# Altium PCB V5+_BASE_RC01.PcbDoc (part 2 of 2) (continued)
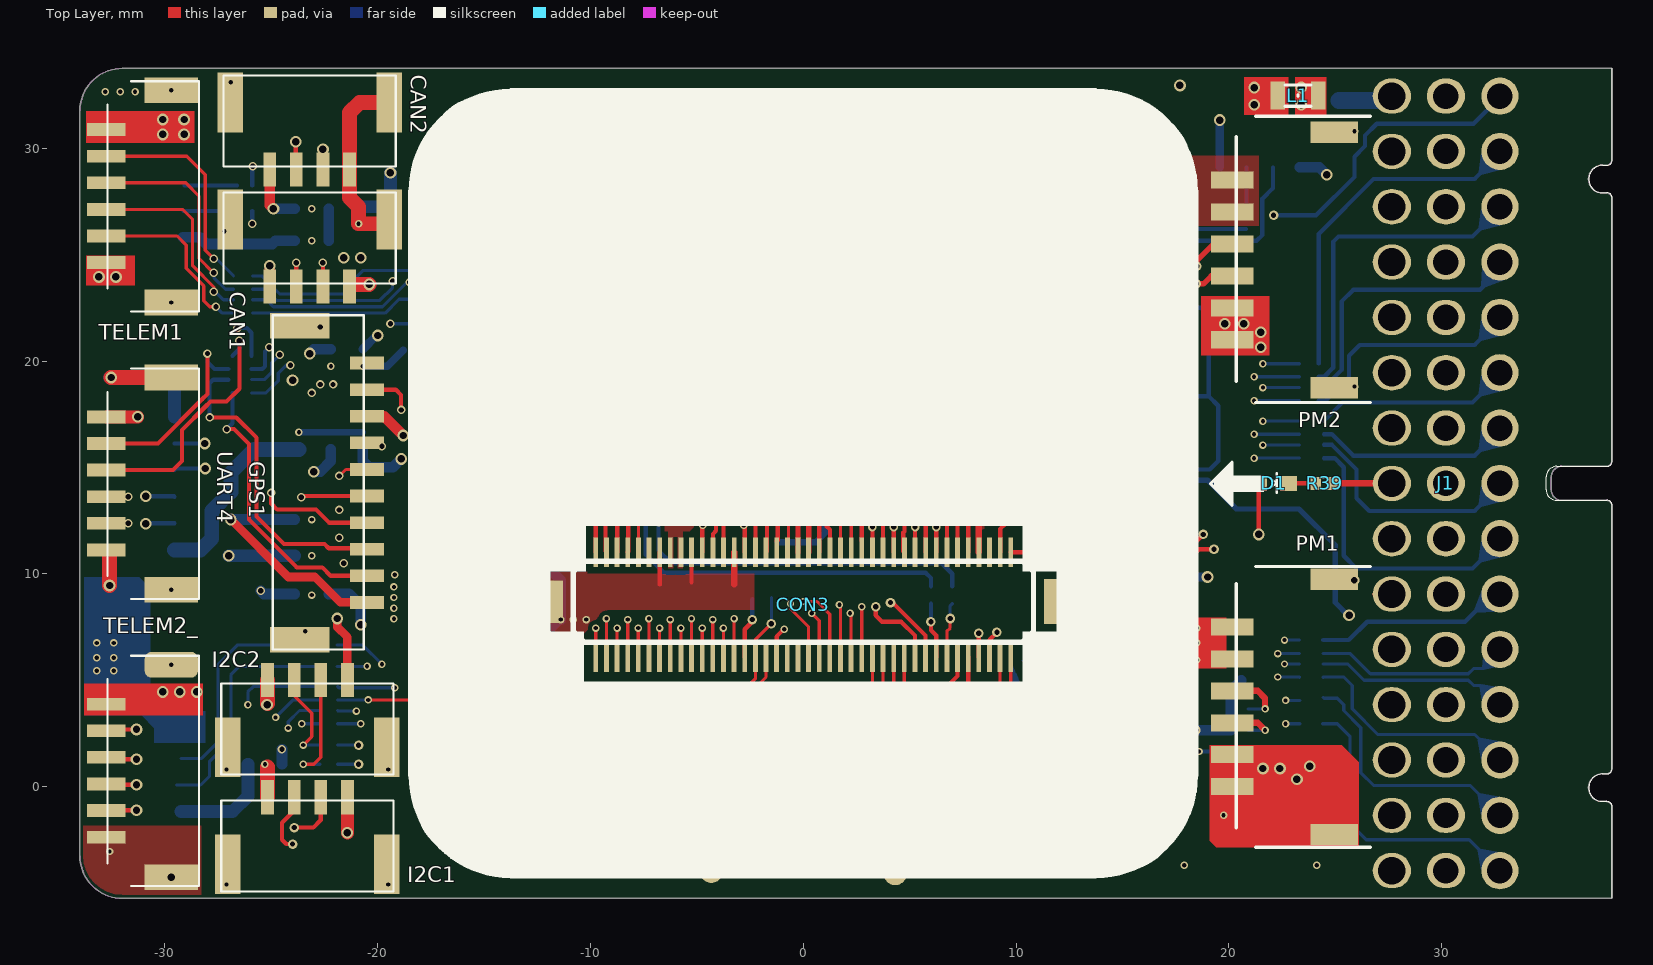
[diagram p0: Top Layer view]
## Nets (pads, with @x,y where several pads share a name; then routed paths per layer and width w, separated by ;. In a path a pad name is that pad's centre, name@x,y a point inside that pad or via, vN(x,y) a via of type N, cw(c..) or ccw(c..) an arc to the next point about the centre after c; other vN are vias at no path point) (continued)
  Bottom Layer w0.15: R16.2@-25.875,23.375 -25.301,23.375 -24.776,22.85 -19.899,22.85 -19.3,23.449 v4(-19.3,23.75)
TELEM1_RX_PORT: R16.7 TELEM1.3 | length 9.9
  Top Layer w0.15: TELEM1.3@-32.75,28.375 -29.025,28.375 -28.4,27.75 -28.4,24.828 -27.722,24.15 v4(-27.7,24.15)
  Bottom Layer w0.15: v4(-27.7,24.15) -27.7,23.922 -27.154,23.375 R16.7@-26.775,23.375
TELEM1_TX: CON3.63 R16.1 | length 50.2
  Top Layer w0.15: v1(0,8.7) 0.65,8.7 1.248,8.102 CON3.63@1.248,6.092
  S1 w0.15: v4(-19.4,21.75) -18.974,21.75 -18.3,21.076 -18.3,18.8 -18.1,18.6 -18.1,11.676 -17,10.576 -17,8.35 -16.7,8.05 -15.5,8.05 -14.925,8.625 -1.525,8.625 -1,8.1 -0.2,8.1 -0.05,8.25 -0.05,8.65 v1(0,8.7)
  Bottom Layer w0.15: R16.1@-25.875,24 -25.45,24 -24.6,23.15 -21.3,23.15 -21.1,23.35 -21.1,23.85 -20.7,24.25 -17.8,24.25 -17.1,23.55 -17.1,22.15 -17.5,21.75 v4(-19.4,21.75)
TELEM1_TX_PORT: R16.8 TELEM1.2 | length 10.4
  Top Layer w0.15: TELEM1.2@-32.75,29.625 -28.975,29.625 -28.1,28.75 -28.1,25.2 v4(-27.7,24.8)
  Bottom Layer w0.15: v4(-27.7,24.8) -27.575,24.8 R16.8@-26.775,24
TELEM2_CTS: CON3.69 R15.3 | length 29.3
  Top Layer w0.15: v5(-7.9,3.1) -7.35,3.65 -2.826,3.65 -1.876,2.7 2.546,2.7 4.248,4.402 CON3.69@4.248,6.092
  S1 w0.15: v1(-21,3.55) -20.764,3.55 -20.264,3.05 v5@-8,3.05
  Bottom Layer w0.15: R15.3@-21.875,3.575 -21.85,3.55 v1(-21,3.55)
TELEM2_CTS_PORT: R15.6 TELEM2_.4 | length 11.6
  Top Layer w0.15: TELEM2_.4@-32.75,0.125 TELEM2_.4@-32.711,0.086
  Top Layer w0.2: TELEM2_.4@-32.711,0.086 v2(-31.336,0.086)
  S1 w0.15: v2@-31.3,0.05 -28.6,2.75 v1(-24.2,2.75)
  Bottom Layer w0.15: v1(-24.2,2.75) -24.2,3.05 -23.675,3.575 R15.6@-22.775,3.575
TELEM2_RTS: CON3.70 R15.4 | length 29.9
  Top Layer w0.15: v5(-6.8,2.9) -6.4,3.3 -2.9,3.3 -2,2.4 2.67,2.4 4.748,4.478 CON3.70@4.748,6.092
  S1 w0.15: v1(-20.8,2.95) -20.475,2.625 -7.075,2.625 v5(-6.8,2.9)
  Bottom Layer w0.15: R15.4@-21.875,2.95 v1(-20.8,2.95)
TELEM2_RTS_PORT: R15.5 TELEM2_.5 | length 11.8
  Top Layer w0.2: TELEM2_.5@-32.739,-1.114 v2(-31.336,-1.114)
  S1 w0.15: v2@-31.3,-1.15 -27.925,2.225 -23.989,2.225 -23.565,2.649 v1(-23.565,2.95)
  Bottom Layer w0.15: v1(-23.565,2.95) R15.5@-22.775,2.95
TELEM2_RX: CON3.68 R15.2 | length 29.3
  Top Layer w0.15: v1(-20.45,4.075) -17.275,4.075 -16.1,2.9 -14.7,2.9 -13.65,3.95 -2.701,3.95 -1.751,3 2.422,3 3.748,4.326 CON3.68@3.748,6.092
  Bottom Layer w0.15: R15.2@-21.875,4.075 v1(-20.45,4.075)
TELEM2_RX_PORT: R15.7 TELEM2_.3 | length 11.1
  Top Layer w0.2: TELEM2_.3@-32.661,1.286 v2(-31.336,1.286)
  S1 w0.15: v2@-31.4,1.25 -29.4,3.25 v1(-24.8,3.25)
  Bottom Layer w0.15: v1(-24.8,3.25) -23.975,4.075 R15.7@-22.775,4.075
TELEM2_TX: CON3.67 R15.1 | length 26.6
  Top Layer w0.15: v4(2.3,4.45) 2.8,4.45 3.248,4.898 CON3.67@3.248,6.092
  S1 w0.15: v1(-19.2,4.65) -19.025,4.475 v4@2.3,4.475
  Bottom Layer w0.15: R15.1@-21.875,4.7 -21.825,4.65 v1(-19.2,4.65)
TELEM2_TX_PORT: R15.8 TELEM2_.2 | length 11.2
  Top Layer w0.2: TELEM2_.2@-32.689,2.686 v2(-31.336,2.686)
  S1 w0.15: v2@-31.4,2.65 -30.9,2.65 -29.7,3.85 v1(-26.1,3.85)
  Bottom Layer w0.15: v1(-26.1,3.85) -26.1,4.45 -25.85,4.7 R15.8@-22.775,4.7
UART4_RX: CON3.72 R18.5 | length 54.7
  Top Layer w0.2: v3(4.1,8.65) 4.2,8.65 5.748,7.102 CON3.72@5.748,6.092
  S1 w0.2: v2(-15,21.95) -15,13.6 -15.4,13.2 -15.4,12.2 -15.025,11.825 -13.748,11.825 -12.773,10.85 1.9,10.85 v3(4.1,8.65)
  S2 w0.2: v4(-26.598,21.55) -26.05,21.55 -25.75,21.25 -25.75,18.55 -24.35,17.15 -20.155,17.15 -19.4,17.905 -19.4,17.907 -18.757,18.55 -18.757,19.843 -18.55,20.05 -15.3,20.05 -15,20.35 v2(-15,21.95)
  Bottom Layer w0.2: v4(-26.598,21.55) -26.15,21.55 -25.925,21.325 R18.5@-25.925,20.25
UART4_RX_PORT: R18.4 UART4.3 | length 11.8
  Top Layer w0.2: UART4.3@-32.75,14.875 -29.625,14.875 -29.203,15.297 -29.203,16.755 -28.107,17.85 -28.105,17.85 -27.855,18.1 -27.1,18.1 -26.5,18.7 v4(-26.5,20.95)
  Bottom Layer w0.2: R18.4@-26.825,20.25 -26.475,20.6 -26.475,20.925 v4(-26.5,20.95)
UART4_TX: CON3.71 R18.6 | length 48.9
  Top Layer w0.2: v3(3.4,8.45) 3.4,8.05 3.7,7.75 4.6,7.75 5.248,7.102 CON3.71@5.248,6.092
  S1 w0.2: v2(-16.2,20.8) -16.275,20.725 -16.275,12.432 -15.318,11.475 -13.893,11.475 -12.868,10.45 -0.16,10.45 1.7,10.45 1.735,10.45 3.4,8.785 v3(3.4,8.45)
  S2 w0.2: v4(-25.095,20.654) -25.1,20.649 -25.1,18.4 -24.2,17.5 -20.3,17.5 -19.75,18.05 -19.75,18.052 -19.107,18.695 -19.107,19.993 -18.3,20.8 v2(-16.2,20.8)
  Bottom Layer w0.2: R18.6@-25.925,19.625 -25.425,19.625 -25.3,19.75 -25.3,20.449 v4(-25.095,20.654)
UART4_TX_PORT: R18.3 UART4.2 | length 9.1
  Top Layer w0.2: UART4.2@-32.75,16.125 -30.327,16.125 -28.252,18.2 -28.25,18.2 -28,18.45 v4(-28,20.35)
  Bottom Layer w0.2: v4(-28,20.35) -28,19.95 -27.675,19.625 R18.3@-27.025,19.625
USB_D_N: CON3.17 USB.A7 USB.B7 | length 32.8
  Top Layer w0.15: CON3.17@1.752,11.009 1.752,12.798 1.8,12.847 v4(1.8,13.375)
  POWER w0.15: v3(0.5,-0.1) 0.202,-0.398 0.202,-1.031 0.621,-1.45 1.2,-1.45 2,-0.65 2,0.65 1.482,1.168 1.482,2.597 1.114,2.964 0.996,3.083 0.996,4.517 1.114,4.636 2.329,5.85 6.65,5.85 7.344,6.544 7.344,7.576 7.596,7.828 7.596,8.954 6.654,9.896 2.833,9.896 1.9,10.829 1.9,13.275 v4(1.8,13.375)
  Bottom Layer w0.15: USB.A7@-0.5,2.435 0.2,1.735 0.2,1.185 USB.B7@0.25,1.135 ; USB.B7@0.25,0.885 0.25,0.15 v3(0.5,-0.1)
USB_D_P: CON3.16 USB.A6 USB.B6 | length 38
  Top Layer w0.15: CON3.16@2.252,11.009 2.252,12.802 2.6,13.15 v4(2.6,13.35)
  POWER w0.15: v3(0.3,3.65) 0.3,1.15 -0.5,0.35 v3(-0.5,-0.1) -0.202,-0.398 -0.202,-1.198 0.454,-1.854 1.367,-1.854 2.404,-0.817 2.404,0.817 1.886,1.336 1.886,2.764 1.4,3.25 1.4,4.35 2.496,5.446 6.817,5.446 7.748,6.377 7.748,7.409 8,7.661 8,9.121 6.821,10.3 3,10.3 2.4,10.9 2.4,13.15 v4(2.6,13.35)
  Bottom Layer w0.15: v3(-0.5,-0.1) -0.25,0.15 USB.B6@-0.25,0.885 ; v3(0.3,3.65) 0.5,3.45 USB.A6@0.5,2.435
VBUS_G: U3.13 U4.2 U4.4
VBUS_IN: C2.2 CON3.15 R5.2 U3.19 U4.7 U4.8 USB.A4 USB.A9 USB.B4 USB.B9 | length 23.1
  Top Layer w0.2: CON3.15@2.752,11.55 2.752,12.406 3.2,12.854 v4(3.2,13.95)
  S1 w0.4: v3(-4.6,23.55) -4.6,24.549 -3.424,25.725 7.825,25.725 v3(8.4,25.15)
  Bottom Layer w0.15: -1.7,-0.25 v3(-1.25,0.2) -1.25,1.6 -1.5,1.85 USB.A9@-1.5,2.185 ; v3(1.25,0.1) 1.25,1.6 1.5,1.85 USB.A4@1.5,2.185
  Bottom Layer w0.2: v3@-4.5,23.6 R5.2@-3.7,23.6 R5.2@-3.6,23.6
  other v1: 2.7,16.45 2.7,17.05
  other v3: -1.3,-0.55 9.1,25.45 8.4,25.85
VBUS_VS: C12.1 U3.14 U4.1 U4.3 | length 0.7
  Bottom Layer w0.3: C12.1@6.175,22.35 6.175,23.025
VDD_5V_BRICK: C6.2 PM1.1 PM1.2 R2.2 U1.7 U1.8 U3.21 | length 12.1
  S2 w0.4: v3(0.6,16.95) 1.5,17.85 3.75,17.85 4.45,17.15 v3(8.2,17.15)
  Bottom Layer w0.2: R2.2@-1.625,16.925 0.875,16.925 1.35,17.4 U3.21@1.35,18.05
  other v1: 18.5,5.95 18.5,6.75 18.5,7.45
  other v3: 8.8,17.15 8.2,17.75 8.8,17.75
VDD_5V_BRICK2: PM2.1 PM2.2 R1.2 U2.7 U2.8 U3.20 | length 24.3
  S1 w0.3: v3(1.6,16.85) 1.6,17.25 2.1,17.75 2.1,19.2 4.35,21.45 v3(11.9,21.45)
  S2 w0.3: v3(-5.689,18.861) -4.111,18.861 -1.45,16.2 0.95,16.2 v3(1.6,16.85)
  Bottom Layer w0.2: v3(-5.689,18.861) R1.2@-4.611,18.861 ; v3(1.6,16.85) 1.85,17.1 U3.20@1.85,18.05
  other v3: 11.9,20.75 12.6,20.75 12.6,21.45 11.9,22.15 12.6,22.15
VDD_5V_IN: C1.A C3.2 C4.2 C5.2 C19.1 C29.1 C31.1 CON3.5 CON3.32 CON3.33 D1.1 L1.2 L12.2 R10.1 R11.1 R12.1 R25.2 R31.2 U1.5 U1.6 U2.5 U2.6 U3.12 U4.5 U4.6 U5.1 U5.4 U5.5 U10.2 U10.3 U11.2 U11.3 | length 33.2
  Top Layer w0.2: CON3.5@7.752,11.009 v4@7.752,13.45 ; v2(21.4,11.85) D1.1@21.4,14.25
  POWER w0.2: v1(-15.7,8.85) -13.45,8.85 -12.8,8.2 v3(-12.8,7)
  S2 w0.3: v2(1.4,26.45) 5.7,26.45 7.9,24.25
  Bottom Layer w0.2: U5.5@-13.625,6.95 -12.8,6.95 -12.75,7 v3(-12.8,7) -12.6,7.2 -12.6,8.75 -12.8,8.95 U5.4@-13.625,8.95 ; R10.1@-1.6,25.625 1.4,25.625 ; v2(1.4,26.45) 1.4,25.625 ; C5.2@2.225,24.95 2.225,25.325 1.925,25.625 1.4,25.625 ; U3.12@2.35,21.85 C5.2@2.35,24.825
  Bottom Layer w0.5: L12.2@-9,25.05 -9,22.95 -8.5,22.45 v5(-8.5,20.65)
  other v1: -15.7,9.45
  other v2: 8.5,19.15 9.3,19.15 10.1,19.15 8.5,19.85 9.3,19.85 10.1,19.85 8.5,23.15 9.2,23.15 10,23.15 10.7,23.15 8.5,23.95 9.2,23.95 10,23.95 10.7,23.95 21.2,32.05 21.2,32.85
  other v3: -11.6,12.85 -5.9,13.05 -5.3,13.35 -12.1,13.45 -11.6,13.75 -5.9,13.75 -12.1,14.05 -5.3,14.15 -5.9,14.55 -12.2,18.75 -11.6,19.05 -12.9,19.35 -12.2,19.45
  other v4: 7.8,12.75 7.8,13.45
  other v5: -8.5,19.15 -7.9,19.15 -8.5,19.85 -7.9,19.85 -7.9,20.65
VDD_5V_RC_EN: CON3.60
VDD_G: U1.2 U1.4 U3.17
VDD_VS: C7.1 U1.1 U1.3 U3.18
pads on no net: PM1.0 PM2.0 SBUS_OUT.1 U3.11 U3.22 U3.23 U5.6 U10.8 U11.8 USB.A2 USB.A3 USB.A5 USB.A8 USB.A10 USB.A11 USB.B2 USB.B3 USB.B5 USB.B8 USB.B10 USB.B11
copper on no net:
  other v6: -11.002,6.792 11.022,6.792

## Polygon pours and split planes (outlines as drawn)
GND on S2 "Top Layer-No Net 1" (solid, remove dead copper, pour order 522): -33.9,34 26.6,34 26.8,33.8 26.6,33.6 26.6,-5.5 -32.7,-5.5 -34.1,-4.1
VDD_5V_BRICK on S2 "Top Layer-No Net 1" (solid, remove dead copper, pour order 426): 7.8,18.35 7.8,16.75 10.2,16.75 10.2,17.55 10,17.75 9.4,18.35
5V_OUT2 on S2 "Top Layer-No Net 1" (solid, remove dead copper, pour order 406): -23.7,17.5 -20.3,17.55 -20.1,17.55 -19.8,17.85 -19.5,18.15 -19.5,25.25 -19.5,25.85 -22.8,25.85 -22.8,20.5 -23.7,19.6
VDD_5V_IN on S2 "Signal Layer 2-VDD_5V_IN 2" (solid, pour order 338): 7.8,24.65 11.1,24.65 11.1,23.95 11.1,17.75 10,17.75 9.4,18.35 7.8,18.35
GND on Top Layer "Top Layer-No Net 1" (solid, remove dead copper, pour order 488): -15.3,7.2 -11.6,7.2 -10.3,7.2 -10.1,7.4 -9.2,8.3 -2.3,8.3 -2.3,10 -2.4,10.1 -9.2,10.1 -15.1,10.1 -15.3,9.9
GND on Top Layer "Top Layer-No Net 1" (solid, remove dead copper, pour order 464): -28.3,-1.95 -28.3,-5.25 -32.8,-5.25 -33.2,-5.25 -34,-4.45 -34.2,-4.25 -34.2,-2.05 -34.2,-1.85 -28.3,-1.85
GND on Top Layer "Top Layer-No Net 1" (solid, remove dead copper, pour order 442): 8,10.3 8.4,10.3 8.5,10.4 8.5,12 8.5,12.5 8.7,12.7 9.5,13.5 12.5,13.5 13.3,13.5 13.5,13.7 13.8,14 13.8,18.3 13.8,18.4 13.4,18.8 10,18.8 9.2,18.8 8.7,18.3 8,17.6 8,10.3
VDD_5V_BRICK2 on Top Layer "Top Layer-No Net 1" (solid, remove dead copper, pour order 430): 11.4,20.25 14.3,20.25 14.5,20.45 15,20.95 15,23.05 15,23.85 16.4,25.25 17.5,26.35 21.4,26.35 21.4,29.65 16.8,29.65 16.6,29.65 16.1,29.15 16.1,28.25 16.1,28.05 14.9,26.85 13.5,25.45 11.4,25.45
VDD_5V_IN on Top Layer "Top Layer-No Net 1" (solid, remove dead copper, pour order 420): -6.5,10.25 -6.1,10.25 -6.1,11.75 -5.9,11.75 -5.9,10.25 -5.6,10.25 -5.6,11.65 -5.6,11.75 -5.3,12.05 -5,12.35 -5,13.35 -5,14.95 -5.1,15.05 -5.2,15.15 -6.5,15.15
VDD_5V_BRICK2 on Top Layer "Top Layer-VDD_5V_BRICK2 1" (solid, shelved, pour order 218): 20.2,28.05
5V_OUT1 on Bottom Layer "Top Layer-No Net 1" (solid, remove dead copper, pour order 500): -22.7,10.3 -21.5,10.3 -20.9,10.3 -20.8,10.4 -20.3,10.9 -20.3,11.9 -20.3,12 -19.7,12.6 -18.1,12.6 -18.1,12.9 -17.7,13.3 -16.6,13.3 -16.6,14.4 -19.8,14.4 -19.9,14.4 -20.6,13.7 -21.1,13.2 -22.7,13.2
5V_OUT2 on Bottom Layer "Top Layer-No Net 1" (solid, remove dead copper, pour order 498): -22.8,19.3 -17.8,19.3 -17.7,19.4 -17.6,19.5 -16.6,19.5 -16.6,18.3 -16.7,18.2 -19.5,18.2 -19.7,18.2 -20,17.9 -20.1,17.8 -20.1,17.1 -24.2,17.1 -24.2,18.5 -23.6,18.5 -23.4,18.7
GND on Bottom Layer "Top Layer-No Net 1" (solid, remove dead copper, pour order 458): 0.7,6.55 5.1,6.55 5.1,0.75 4.9,0.55 4.8,0.45 3.3,0.45 3.3,3.35 3.2,3.45 2.2,4.45 0.7,4.45
GND on Bottom Layer "Top Layer-No Net 1" (solid, remove dead copper, pour order 454): 8.3,28.15 10.9,28.15 11.1,28.35 11.2,28.45 11.2,33.65 8.4,33.65 8.3,33.55
GND on Bottom Layer "Top Layer-No Net 1" (solid, remove dead copper, pour order 452): -28.2,29.95 -28.2,29.05 -28.3,28.95 -28.5,28.75 -34,28.75 -34,33.45 -33.6,33.85 -30.7,33.85 -30.7,30.25 -30.6,30.15 -28.2,30.15
GND on Bottom Layer "Top Layer-No Net 1" (solid, remove dead copper, pour order 446): -16.946,6.154 -16.946,4.254 -17.046,4.154 -17.146,4.054 -19.046,4.054 -19.846,4.054 -19.946,4.154 -20.146,4.354 -20.146,8.154 -20.146,12.254 -19.946,12.454 -19.896,12.504 -17.046,12.504
VBUS_IN on Bottom Layer "Top Layer-No Net 1" (solid, remove dead copper, pour order 424): -1.81,1.985 -1.775,1.95 -1.2,1.95 -1.2,3.35 -1.1,3.45 -0.4,4.15 0.2,4.15 0.8,4.15 1,3.95 1.1,3.85 1.1,1.85 1.6,1.85 1.7,1.95 1.7,4.35 1.7,4.45 1.3,4.85 0.6,5.55 0.6,6.55 -1.5,6.55 -1.8,6.25
VBUS_IN on Bottom Layer "Top Layer-No Net 1" (solid, remove dead copper, pour order 422): -1.8,3.25 1.9,3.25 2.1,3.05 2.1,-1.05 2.1,-1.75 1.9,-1.95 1.8,-2.05 -1.8,-2.05 -1.8,0.55
VDD_5V_IN on Bottom Layer "Top Layer-No Net 1" (solid, remove dead copper, pour order 418): -14.6,18.15 -14.1,18.15 -13.7,18.15 -13.4,18.15 -13.4,18.25 -13.4,18.35 -11.2,18.35 -11.2,19.75 -13.1,19.75 -13.3,19.75 -13.6,19.45 -14.6,19.45
VDD_5V_IN on Bottom Layer "Top Layer-No Net 1" (solid, remove dead copper, pour order 416): -14.5,14.45 -14.5,13.35 -12.7,13.35 -12.6,13.25 -12.5,13.15 -12.5,12.35 -11.7,12.35 -11.2,12.35 -11.2,14.45
DSM_3V3 on Bottom Layer "Top Layer-No Net 1" (solid, remove dead copper, pour order 414): -14.375,7.275 -14.375,6.575 -14.375,6.4 -14.225,6.25 -13.875,5.9 -13.9,3.25 -16.65,3.25 -16.65,4.375 -16.65,5.15 -15.8,5.15 -15.725,5.225 -15.7,5.25 -15.7,5.925 -15.475,6.15 -15.45,6.175 -14.95,6.175 -14.95,7.263 -14.9,7.313
VDD_5V_IN on Bottom Layer "Top Layer-No Net 1" (solid, remove dead copper, pour order 412): -16.975,9.725 -14.875,9.725 -14.875,8.425 -14.875,8.4 -14.975,8.3 -15.6,8.3 -15.775,8.125 -15.8,8.1 -17.025,8.1 -17.025,9.75
D1_3V3 on Bottom Layer "Top Layer-No Net 1" (solid, remove dead copper, pour order 410): -17.025,7.9 -15.425,7.9 -15.325,7.8 -14.9,7.375 -14.9,6.525 -14.9,6.425 -15.05,6.275 -15.075,6.25 -15.55,6.25 -15.6,6.25 -15.75,6.1 -15.825,6.025 -15.825,5.275 -16.65,5.275 -16.7,5.325 -16.7,6.075 -16.7,6.15 -16.8,6.25 -16.875,6.325 -17.025,6.325
5V_OUT2 on Bottom Layer "Top Layer-No Net 1" (solid, remove dead copper, pour order 404): -22.7,27.45 -22.7,23.55 -20.4,23.55 -19.7,24.25 -19.6,24.35 -19.6,26.05 -21.5,26.05 -21.6,26.15 -21.8,26.35 -21.8,27.55 -22.6,27.55 -22.7,27.45
VDD_5V_BRICK on Bottom Layer "Top Layer-No Net 1" (solid, remove dead copper, pour order 400): 21.3,7.95 21.3,5.75 18.9,5.75 18.7,5.55 18,5.55 18,7.95
VDD_5V_BRICK2 on Bottom Layer "Top Layer-No Net" (solid, remove dead copper, pour order 18): 7,21.925 7,21.075 7.875,21.075 7.875,20.775 7,20.775 7,20.45 8.8,20.45 13,20.45 13,22.45 9,22.45 7.6,22.45 7.6,21.95 7,21.95
VDD_G on Bottom Layer "Top Layer-No Net" (solid, remove dead copper, pour order 10): 2.6,19.4 2.6,19.05 3.7,19.05 4.5,18.25 5,17.75 5,16.65 6,16.65 6.1,16.55 6.1,15.95 5.2,15.95 5.2,15.35 6.7,15.35 6.8,15.45 6.9,15.55 6.9,17.45 6.9,17.55 6.7,17.75 6.6,17.85 5.7,17.85 5.7,18.8 5.463,18.888 4.862,18.888 4.5,18.95 4.05,19.4
SERVO_G on Bottom Layer "Top Layer-No Net" (solid, remove dead copper, pour order 6): 2.6,20.55 2.6,20.038 4.413,20.038 4.563,20.038 4.95,19.65 5.9,19.65 5.9,20.25 5.1,20.25 5.1,20.85 6,20.85 6,21.85 5.9,21.95 4.1,21.95 4.1,20.75 4,20.65 3.9,20.55
VBUS_VS on Bottom Layer "Top Layer-No Net" (solid, remove dead copper, pour order 2): 5.8,25.45 5.1,25.45 5.1,24.55 5.8,24.55 5.8,24.05 3.4,24.05 3.4,21.075 2.6,21.075 2.6,20.55 3.9,20.55 4,20.65 4.1,20.75 4.1,22.15 6.8,22.15 6.8,22.85 6.8,23.55 6.8,25.45
VBUS_IN on Bottom Layer "NONET_L-01_P-001" (solid, remove dead copper, pour order 320): 2.1,18.4 2.1,15.275 3.075,15.275 3.15,15.35 3.15,16.6 3.15,16.9 3.3,17.05 3.325,17.075 3.325,17.65 3.1,17.65 2.925,17.825 2.55,17.825 2.55,18.325 2.45,18.425 2.1,18.425
VBUS_G on Bottom Layer "Top Layer-No Net" (solid, remove dead copper, pour order 0): 3.4,20.95 2.6,20.95 2.6,26.35 2.8,26.55 2.9,26.65 5.8,26.65 5.8,25.35 5.1,25.35 5.1,24.45 5.8,24.45 5.8,23.95 3.4,23.95
SERVO_VS on Bottom Layer "Top Layer-No Net" (solid, remove dead copper, pour order 8): 2.6,19.975 2.6,19.55 3.4,19.55 4.2,19.55 4.7,19.05 6.8,19.05 6.8,20.75 6.6,20.95 6.579,20.929 5.034,20.929 5.034,20.316 5.1,20.25 5.9,20.25 5.925,19.463 4.888,19.463 4.375,19.975
VDD_VS on Bottom Layer "Top Layer-No Net" (solid, remove dead copper, pour order 14): 2.8,19.05 2.8,18.45 2.8,17.85 3.4,17.85 3.612,17.638 3.612,17.05 4.2,17.05 4.2,14.65 6.3,14.65 6.3,15.35 5.4,15.35 5.4,15.95 6.3,15.95 6.3,16.55 6.2,16.65 5.2,16.65 5.2,17.75 3.9,19.05
VDD_5V_IN on Bottom Layer "Top Layer-No Net" (solid, remove dead copper, pour order 32): 7,24.55 7,24.075 7.875,24.075 7.875,23.775 7,23.775 7,23.05 7.8,23.05 7.8,22.65 9.3,22.65 9.3,24.55 7.3,24.55
VBUS_IN on Bottom Layer "Top Layer-No Net" (solid, remove dead copper, pour order 34): 7,26.125 7,25.35 7.9,25.35 7.9,25.15 7,25.15 7,24.65 9.4,24.65 9.4,26.15 9.4,26.65 7.6,26.65 7.6,26.15 7,26.15
VDD_5V_IN on Bottom Layer "Top Layer-No Net" (solid, remove dead copper, pour order 36): 7,15.95 7,15.475 7.875,15.475 7.875,15.175 7,15.175 7,14.45 7.8,14.45 7.8,14.05 9,14.05 9,15.95 7.3,15.95
VDD_5V_BRICK on Bottom Layer "Top Layer-No Net" (solid, remove dead copper, pour order 38): 7,17.625 7,16.775 7.875,16.775 7.875,16.475 7,16.475 7,16.15 8.6,16.15 9,16.55 9,17.65 9,18.15 7.6,18.15 7.6,17.65 7,17.65
VDD_5V_IN on Bottom Layer "Bottom Layer-VDD_5V_IN 1" (solid, pour order 230): 8.15,15.95 11.8,15.95 11.8,11.35 8.4,11.35 7.2,11.35 7.2,13.6 7.9,14.3
VDD_5V_IN on Bottom Layer "Top Layer-No Net" (solid, remove dead copper, pour order 22): 7,20.25 7,19.775 7.875,19.775 7.875,19.475 7,19.475 7,18.75 7.8,18.75 7.8,18.35 9,18.35 9,20.25 7.3,20.25
VDD_5V_IN on Bottom Layer "Bottom Layer-VDD_5V_IN" (solid, pour order 232): 9,20.238 9.012,20.25 10.5,20.25 10.5,15.55 10.3,15.35 9,15.35 9,18.35 8.7,18.35 8.7,20.15 8.6,20.25
GND on Bottom Layer "Bottom Layer-GND" (solid, pour order 398): 4.9,3.05 -5.1,3.05 -5.1,0.55 4.9,0.55
VDD_5V_IN on Bottom Layer "Top Layer-No Net 1" (solid, remove dead copper, pour order 474): -8.9,21.25 -7.5,21.25 -7.5,18.75 -8.9,18.75
VDD_5V_IN on POWER "Top Layer-No Net 1" (solid, remove dead copper, pour order 520): -33.9,34 26.6,34 26.8,33.8 26.6,33.6 26.6,-5.5 -32.7,-5.5 -34.1,-4.1
5V_OUT1 on POWER "Top Layer-No Net 1" (solid, remove dead copper, pour order 504): -34.2,33.7 -33.7,33.75 -20.3,33.75 -20.3,5 -20.7,4.6 -21.1,4.2 -34.2,4.2
RC_VCC on POWER "Top Layer-No Net 1" (solid, remove dead copper, pour order 444): 31.5,33.75 31.5,31.25 31.5,31.05 31.4,30.95 31.3,30.85 25.1,30.85 23.1,30.85 23.1,33.75 25.9,33.75 25.9,31.75 29.2,31.75 29.2,33.75
VBUS_IN on POWER "Top Layer-No Net 1" (solid, remove dead copper, pour order 432): -0.7,-1.3 -2.4,-1.3 -2.4,-0.4 -2.4,0.7 -2.4,3.4 -2.4,5.1 -2.4,5.8 0.35,8.55 0.35,12 0.35,17.45 1.053,18.154 2.253,19.354 2.253,22.054 2.253,26.554 2.453,26.754 2.553,26.854 9.053,26.854 9.053,24.754 8.753,24.454 6.453,24.454 4.853,24.454 4.353,23.954 4.053,23.654 4.053,16.254 4.053,13.554 2.553,13.554 2.253,13.554 2.253,7.253 1.35,6.35 0.753,5.753 -0.7,4.3 -0.7,3.8 -0.7,1.8 -0.7,0.836
VDD_5V_BRICK on POWER "Top Layer-No Net 1" (solid, remove dead copper, pour order 428): 19.6,7.75 19.6,5.25 19.5,5.15 8.5,5.15 8.5,12.95 7.3,14.15 7.1,14.35 7.1,18.35 9.9,18.35 10.1,18.15 11,17.25 11,10.05 11.85,9.2 13.2,7.85 19.6,7.85
GND on GND "Top Layer-No Net 1" (solid, remove dead copper, pour order 518): -33.9,34 26.6,34 26.8,33.8 26.6,33.6 26.6,-5.5 -32.7,-5.5 -34.1,-4.1
GND on S1 "Top Layer-No Net 1" (solid, remove dead copper, pour order 524): -33.9,34 26.6,34 26.8,33.8 26.6,33.6 26.6,-5.5 -32.7,-5.5 -34.1,-4.1

## Keep-outs
Bottom Paste:
  lines w1: 37.575,-1.05 cw(c37.575,-0.05) 37.575,0.95
Bottom Solder:
  lines w1: 37.525,27.525 cw(c37.525,28.525) 37.525,29.525 ; 37.575,-1.05 cw(c37.575,-0.05) 37.575,0.95
Keep-Out Layer:
  the board outline again, w0.013

## Other copper
Top Layer:
  rectangle net GND: 18.7,20.25 21.9,23.05
  rectangle net VDD_5V_IN: 20.7,31.55 22.8,33.35
  rectangle net GND: -33.7,23.55 -31.4,24.95
  rectangle net 5V_OUT1: -33.7,30.25 -28.6,31.75
  rectangle net 5V_OUT1: -33.8,3.35 -28.2,4.85
  rectangle net RC_VCC: 23.1,31.55 24.6,33.35
  rectangle net VDD_5V_BRICK: 18.1,5.55 19.9,7.95
  region net GND: 19.1,1.95 25.3,1.95 26.1,1.15 26.1,-2.85 19.4,-2.85 19.1,-2.55
  pour cut-out: 35.2,-5.35 26,-5.35 26,33.65 35.2,33.65
S1:
  pour cut-out: 35.7,-5.4 26.5,-5.4 26.5,33.6 35.7,33.6
S2:
  pour cut-out: 35,-5.35 25.8,-5.35 25.8,30.45 35,30.45
Bottom Layer:
  rectangle net VDD_5V_IN: -12.2,12.35 -11.2,19.45
  region net GND: -28.1,3.55 -28.1,2.05 -30.5,2.05 -30.5,2.75 -31.1,3.35 -33.8,3.35 -33.8,9.85 -31.2,9.85 -30.7,9.35 -30.7,4.05 -30.2,3.55
  region net VDD_5V_IN: 9,22.65 12.9,22.65 12.9,24.65 10.1,24.65 10,24.55 9,24.55
  pour cut-out: 35,-5.35 25.8,-5.35 25.8,33.65 35,33.65

## Silkscreen, mask and mechanical layers (free items; w line width, h text height)
Top Overlay:
  rectangle: 10.3,3.661 12.475,7.3
  rectangle: 10.3,10.1 12.475,13.739
  rectangle: -13.225,10.1 -10.2,13.739
  rectangle: -13.25,3.661 -10.3,7.3
  rectangle: -13.5,1.311 13.2,4.95
  rectangle: 19.771,13.853 21.654,14.615
  rectangle: -12.3,12.25 14.4,26.35
  region: 14.1,32.75 cw(c13.769,28.087) 17.3,31.15 cw(c14.098,28.127) 18.5,28 cw(c17.42,27.705) 18.469,27.313 cw(c15.813,26.702) 18.5,26.25 cw(c17.771,28.487) 17.5,26.15 -18.5,26.15 -18.5,28.35 cw(c-14.641,28.251) -17.3,31.05 cw(c-14.931,29.769) -15.7,32.35 -14.3,32.75
  region: -14.1,-4.25 cw(c-13.769,0.413) -17.3,-2.65 cw(c-14.098,0.373) -18.5,0.5 cw(c-17.42,0.795) -18.469,1.187 cw(c-15.813,1.798) -18.5,2.25 cw(c-17.771,0.013) -17.5,2.35 18.5,2.35 18.5,0.15 cw(c14.641,0.249) 17.3,-2.55 cw(c14.931,-1.269) 15.7,-3.85 14.3,-4.25
  region: 18.5,0.15 cw(c13.837,0.481) 16.9,-3.05 cw(c13.877,0.152) 13.75,-4.25 cw(c13.455,-3.17) 13.063,-4.219 cw(c12.452,-1.563) 12,-4.25 cw(c14.237,-3.521) 11.9,-3.25 11.9,32.75 14.1,32.75 cw(c14.001,28.891) 16.8,31.55 cw(c15.519,29.181) 18.1,29.95 18.5,28.55
  region: -18.5,28.35 cw(c-13.837,28.019) -16.9,31.55 cw(c-13.877,28.348) -13.75,32.75 cw(c-13.455,31.67) -13.063,32.719 cw(c-12.452,30.063) -12,32.75 cw(c-14.237,32.021) -11.9,31.75 -11.9,-4.25 -14.1,-4.25 cw(c-14.001,-0.391) -16.8,-3.05 cw(c-15.519,-0.681) -18.1,-1.45 -18.5,-0.05
  lines w0.1: -18.5,0.5 ccw(c-13.75,0.5) -13.75,-4.25 ; -18.5,28 cw(c-13.75,28) -13.75,32.75 ; 13.75,-4.25 ccw(c13.75,0.5) 18.5,0.5 ; 13.75,32.75 cw(c13.75,28) 18.5,28
  lines w0.15: -18.5,0.5 -18.5,28 ; -13.75,-4.25 13.75,-4.25 ; -13.75,32.75 13.75,32.75 ; 18.5,0.5 18.5,28 ; 19.368,13.999 19.368,14.462 ; 19.495,13.872 19.495,14.589 ; 19.644,13.745 19.644,14.735 ; 19.771,13.618 19.771,14.862 ; 19.898,13.491 19.898,14.993 ; 20.025,13.364 20.025,14.993 ; 19.136,14.231 20.152,13.215 20.152,15.247 19.136,14.231
Bottom Overlay:
  rectangle: 26.6,-5.4 34,33.75
  rectangle: 17.4,20.45 17.9,21.65
  rectangle: 17.4,21.85 17.9,23.15
  lines w0.15: 16.1,20.45 18.5,20.45 18.5,21.65 ; 16.1,21.85 18.5,21.85 ; 16.1,23.15 18.5,23.15 18.5,21.65 ; 17.475,21.75 20.7,21.75 21.2,22.25 21.2,23.05 ; 18.1,20.45 18.1,21.65 18.1,23.15 ; 19.3,23.875 20.5,23.875 ; 20.35,22.7 20,23.05 ; 20.35,23.4 20,23.05 ; 22.05,22.7 22.4,23.05 ; 22.05,23.4 22.4,23.05 ; 22.2,23.875 24.2,23.875 ; 18.5,21.65 16.1,21.65 18.5,21.65 ; 20,23.05 21.2,23.05 ; 21.2,23.05 22.4,23.05
  lines w0.5: -13.027,-2.463 cw(c-14.25,0) -13.02,-2.46 ; -13.027,26.037 cw(c-14.25,28.5) -13.02,26.04 ; 15.473,-2.463 cw(c14.25,0) 15.48,-2.46 ; 15.473,26.037 cw(c14.25,28.5) 15.48,26.04
  text "ADC2/3" at 21.1,24.15 h1.5
  text "I2C1" at 24.3,24.15 h1.5
  text "Default" at 24.7,22.65 h1.52 r270